# Altium PCB Hall Board.PcbDoc (part 1 of 4) (continued)
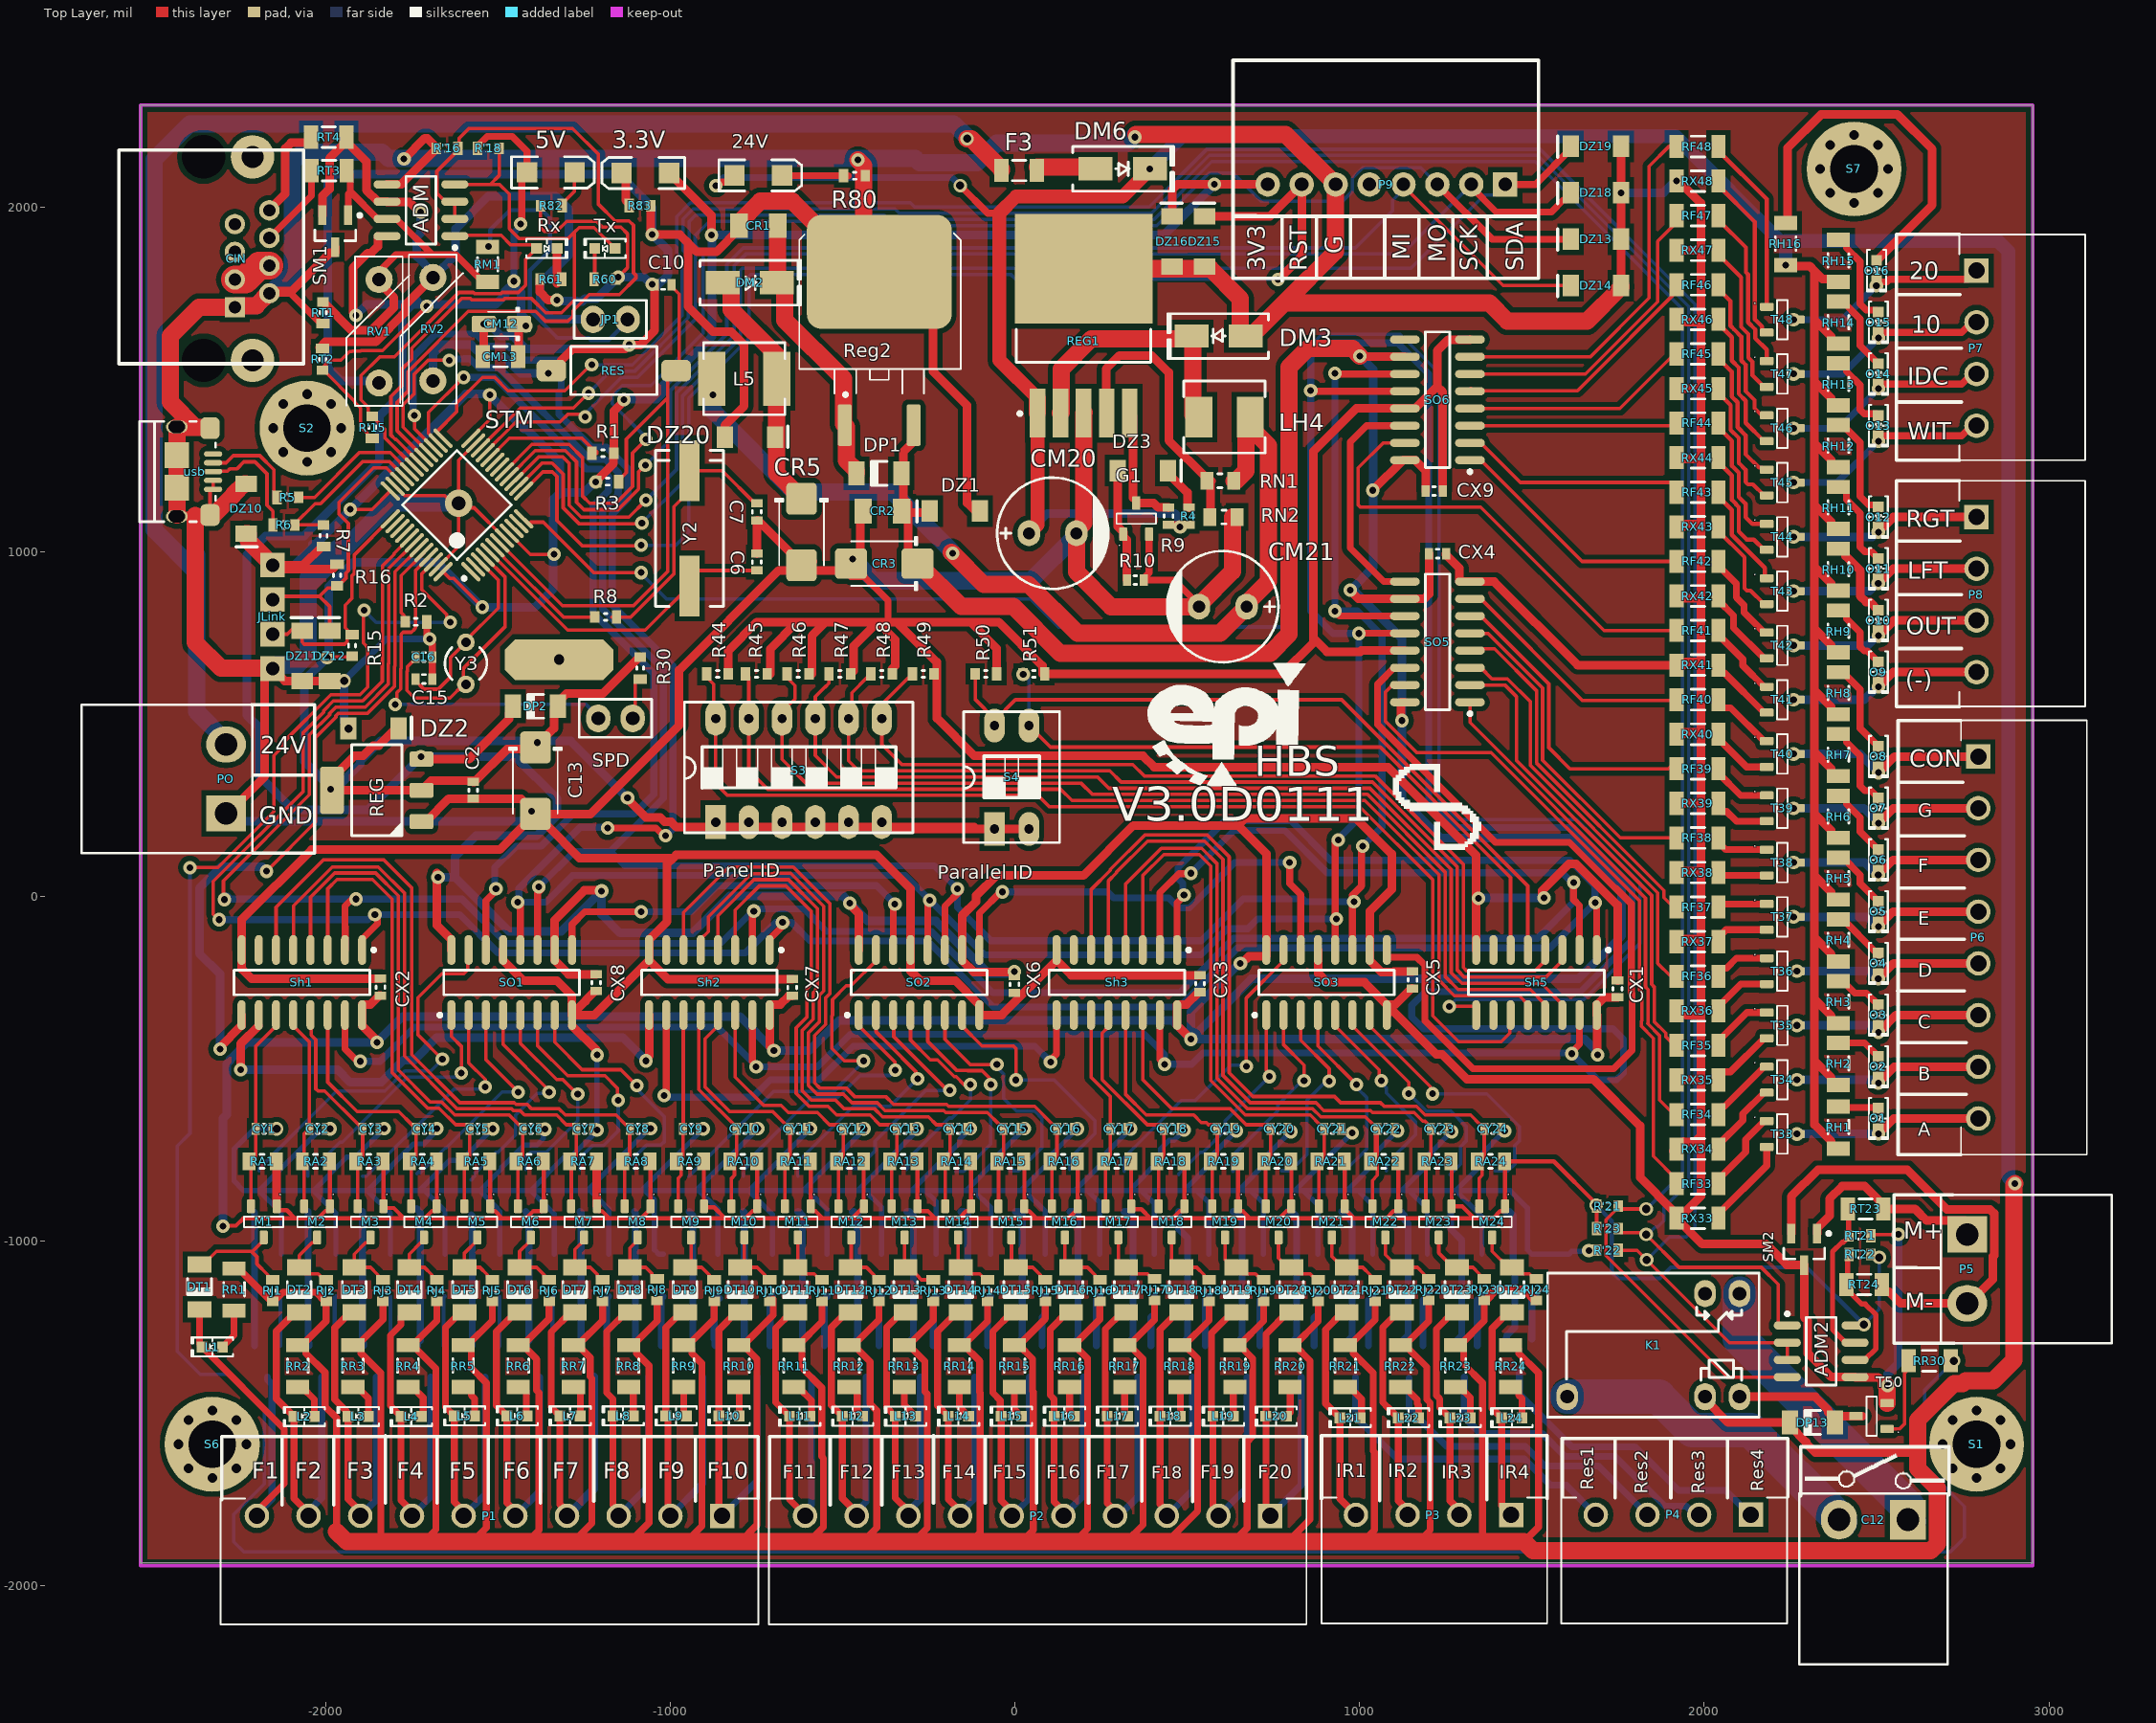
[diagram p0: Top Layer view]
## Components (designator, comment, footprint, x,y, rotation, side; value= is the part's Value field where it differs from the comment) (continued)
ADM "ADM485" SO8_NARROW_N -1724.47,1990 r180 top
ADM2 "ADM485" SO8_NARROW_N 2339.23,-1320.34 r0 top
C2 "100nF" SMD_CAP_0603 -1572.96,307.2 r90 top
C6 "20pF" SMD_CAP_0603 -750,969.36 r90 top
C7 "20pF" SMD_CAP_0603 -750,1115 r270 top
C10 "1uF" SMD_CAP_0603 -1021.51,1773.6 r180 top
C12 "Header 2" "phonix 2pin right 5.08" 2491,-1809 r270 top
C13 "100uF" CAPMP6032X280N -1392.43,335 r270 top
C15 "10pF" SMD_CAP_0603 -1716.04,630 r180 top
C16 "10pF" SMD_CAP_0603 -1716.04,694.06 r180 top
CIN "CN_MODJACK_8P" "CN_RJ45_TYCO_ DY122-8P8C-G" -2355,2145 r270 top
CM12 "10uF" CAPMP3216X180N -1490.99,1660 r180 top
CM13 "100nF" SMD_CAP_1206 -1442.79,1565 r180 top
CM20 "100uF" "cap 03" 108.9,1052.88 r180 top
CM21 "2000uF" "cap 03" 602.48,840 r0 top
CR1 "330nF" 1206 -745,1945 r180 top
CR2 "100nF" 1206 -385,1117.05 r180 top
CR3 "100uF" CAPMP6032X280N -380,965 r180 top
CR5 "100uF" CAPMP6032X280N -620,1056.6 r270 top
CX1 "100nF" SMD_CAP_0603 1748,-269 r270 top
CX2 "100nF" SMD_CAP_0603 -1842,-264 r270 top
CX3 "100nF" SMD_CAP_0603 536.6,-254 r270 top
CX4 "100nF" SMD_CAP_0603 1226,994 r180 top
CX5 "100nF" SMD_CAP_0603 1153.5,-243 r90 top
CX6 "100nF" SMD_CAP_0603 -2,-255.84 r90 top
CX7 "100nF" SMD_CAP_0603 -646.94,-265 r270 top
CX8 "100nF" SMD_CAP_0603 -1215.94,-251 r90 top
CX9 "100nF" SMD_CAP_0603 1216,1175.47 r180 top
CY1 "10uF" SMD_CAP_0603 -2179.21,-674.92 r180 top
CY2 "10uF" SMD_CAP_0603 -2024.21,-674.92 r180 top
CY3 "10uF" SMD_CAP_0603 -1869.21,-674.92 r180 top
CY4 "10uF" SMD_CAP_0603 -1714.21,-674.92 r180 top
CY5 "10uF" SMD_CAP_0603 -1559.21,-674.92 r180 top
CY6 "10uF" SMD_CAP_0603 -1404.21,-674.92 r180 top
CY7 "10uF" SMD_CAP_0603 -1249.21,-674.92 r180 top
CY8 "10uF" SMD_CAP_0603 -1094.21,-674.92 r180 top
CY9 "10uF" SMD_CAP_0603 -939.21,-674.92 r180 top
CY10 "10uF" SMD_CAP_0603 -784.21,-674.92 r180 top
CY11 "10uF" SMD_CAP_0603 -629.21,-674.92 r180 top
CY12 "10uF" SMD_CAP_0603 -474.21,-674.92 r180 top
CY13 "10uF" SMD_CAP_0603 -319.21,-674.92 r180 top
CY14 "10uF" SMD_CAP_0603 -164.21,-674.92 r180 top
CY15 "10uF" SMD_CAP_0603 -9.21,-674.92 r180 top
CY16 "10uF" SMD_CAP_0603 145.79,-674.92 r180 top
CY17 "10uF" SMD_CAP_0603 300.79,-674.92 r180 top
CY18 "10uF" SMD_CAP_0603 455.79,-674.92 r180 top
CY19 "10uF" SMD_CAP_0603 610.79,-674.92 r180 top
CY20 "10uF" SMD_CAP_0603 765.79,-674.92 r180 top
CY21 "10uF" SMD_CAP_0603 920.79,-674.92 r180 top
CY22 "10uF" SMD_CAP_0603 1075.79,-674.92 r180 top
CY23 "10uF" SMD_CAP_0603 1230.79,-674.92 r180 top
CY24 "10uF" SMD_CAP_0603 1385.79,-674.92 r180 top
DM2 "1N5822" "DO214AC SMA" -770,1780 r0 top
DM3 "1N5822" "DO214AC SMA" 590.31,1625 r180 top
DM6 "1N5822" "DO214AC SMA" 312.15,2110.44 r0 top
DP1 "1N4148" LL4148 -395.66,1226.65 r180 top
DP2 "1N4148" LL4148 -1392.67,551.1 r180 top
DP13 "1N4148" LL4148 2313.72,-1526.89 r180 top
DT1 "1N4148" LL4148 -2367.13,-1133.73 r270 top
DT2 "1N4148" LL4148 -2078,-1142 r270 top
DT3 "1N4148" LL4148 -1918,-1142 r270 top
DT4 "1N4148" LL4148 -1758,-1142 r270 top
DT5 "1N4148" LL4148 -1598,-1142 r270 top
DT6 "1N4148" LL4148 -1438,-1142 r270 top
DT7 "1N4148" LL4148 -1278,-1142 r270 top
DT8 "1N4148" LL4148 -1118,-1142 r270 top
DT9 "1N4148" LL4148 -958,-1142 r270 top
DT10 "1N4148" LL4148 -798,-1142 r270 top
DT11 "1N4148" LL4148 -638,-1142 r270 top
DT12 "1N4148" LL4148 -478,-1142 r270 top
DT13 "1N4148" LL4148 -318,-1142 r270 top
DT14 "1N4148" LL4148 -158,-1142 r270 top
DT15 "1N4148" LL4148 2,-1142 r270 top
DT16 "1N4148" LL4148 162,-1142 r270 top
DT17 "1N4148" LL4148 322,-1142 r270 top
DT18 "1N4148" LL4148 482,-1142 r270 top
DT19 "1N4148" LL4148 642,-1142 r270 top
DT20 "1N4148" LL4148 802,-1142 r270 top
DT21 "1N4148" LL4148 962,-1142 r270 top
DT22 "1N4148" LL4148 1122,-1142 r270 top
DT23 "1N4148" LL4148 1282,-1142 r270 top
DT24 "1N4148" LL4148 1442,-1142 r270 top
DZ1 "DZ5.6V 0.5W" Minimelf -175,1117.05 r180 top
DZ2 "DZ3.6V 0.5W" Minimelf -1862.11,487.02 r0 top
DZ3 "DZ14V" Minimelf 371,1235 r0 top
DZ10 "DZ3.6V 0.5W" Minimelf -2231.57,1124 r270 top
DZ11 "DZ3.6V 0.5W" Minimelf -2069.51,697.53 r90 top
DZ12 "DZ3.6V 0.5W" Minimelf -1990,697.53 r90 top
DZ13 "DZ3.6V 0.5W" Minimelf 1685,1905.63 r180 top
DZ14 "DZ3.6V 0.5W" Minimelf 1685,1770.95 r180 top
DZ15 "DZ3.6V 0.5W" Minimelf 549.51,1899.96 r90 top
DZ16 "DZ3.6V 0.5W" Minimelf 454.54,1899.96 r90 top
DZ18 "DZ3.6V 0.5W" Minimelf 1685,2040.32 r180 top
DZ19 "DZ3.6V 0.5W" Minimelf 1685,2175 r180 top
DZ20 "DZ9.1V 0.5W" Minimelf -769.61,1331.86 r0 top
F3 "Fuse 1A 1206" "Fuse SMD 1206" 15.53,2100.44 r0 top
G1 "BC848" SOT23-3 351.4,1095.28 r90 top
JLink "Header Male Right 1x4" "Header 1x4 male rightangle" -2155,760.17 r90 top
JP1 "Jumper" "Jumper Small - 2.54 - GRAY" -1175,1673.48 r180 top
K1 "RELAY_SPDT" REL_SPDT_5_1611 1852.13,-1302.54 r90 top
L1 "RED" "LED 0603/1608 RED" -2330,-1307.78 r180 top
L2 "RED" "LED 0603/1608 RED" -2063.2,-1509.57 r180 top
L3 "RED" "LED 0603/1608 RED" -1906.34,-1509.57 r180 top
L4 "RED" "LED 0603/1608 RED" -1752.65,-1509.57 r180 top
L5 "RED" "LED 0603/1608 RED" -1598,-1508 r180 top
L5 "Inductor" "HPC6045 SMD INDUCTOR" -786.27,1501.37 r0 top value=22uH3A
L6 "RED" "LED 0603/1608 RED" -1445.27,-1508 r180 top
L7 "RED" "LED 0603/1608 RED" -1291.58,-1508 r180 top
L8 "RED" "LED 0603/1608 RED" -1137.89,-1508 r180 top
L9 "RED" "LED 0603/1608 RED" -984.2,-1508 r180 top
L10 "RED" "LED 0603/1608 RED" -830.51,-1508 r180 top
L11 "RED" "LED 0603/1608 RED" -625.5,-1508.59 r180 top
L12 "RED" "LED 0603/1608 RED" -471.85,-1508.59 r180 top
L13 "RED" "LED 0603/1608 RED" -318.21,-1508.59 r180 top
L14 "RED" "LED 0603/1608 RED" -164.56,-1508.59 r180 top
L15 "RED" "LED 0603/1608 RED" -10.91,-1508.59 r180 top
L16 "RED" "LED 0603/1608 RED" 142.73,-1508.59 r180 top
L17 "RED" "LED 0603/1608 RED" 296.38,-1508.59 r180 top
L18 "RED" "LED 0603/1608 RED" 450.02,-1508.59 r180 top
L19 "RED" "LED 0603/1608 RED" 603.67,-1508.59 r180 top
L20 "RED" "LED 0603/1608 RED" 757.32,-1508.59 r180 top
L21 "RED" "LED 0603/1608 RED" 972,-1513.51 r180 top
L22 "RED" "LED 0603/1608 RED" 1141.39,-1513.51 r180 top
L23 "RED" "LED 0603/1608 RED" 1291.39,-1513.51 r180 top
L24 "RED" "LED 0603/1608 RED" 1441.39,-1513.51 r180 top
LH4 "Inductor" "CD45 SMD Inductor" 607.4,1390 r0 top value=100uH3A
M1 "2N7002" SOT23-3 -2180.79,-944.92 r270 top
M2 "2N7002" SOT23-3 -2025.79,-944.92 r270 top
M3 "2N7002" SOT23-3 -1870.79,-944.92 r270 top
M4 "2N7002" SOT23-3 -1715.79,-944.92 r270 top
M5 "2N7002" SOT23-3 -1560.79,-944.92 r270 top
M6 "2N7002" SOT23-3 -1405.79,-944.92 r270 top
M7 "2N7002" SOT23-3 -1250.79,-944.92 r270 top
M8 "2N7002" SOT23-3 -1095.79,-944.92 r270 top
M9 "2N7002" SOT23-3 -940.79,-944.92 r270 top
M10 "2N7002" SOT23-3 -785.79,-944.92 r270 top
M11 "2N7002" SOT23-3 -630.79,-944.92 r270 top
M12 "2N7002" SOT23-3 -475.79,-944.92 r270 top
M13 "2N7002" SOT23-3 -320.79,-944.92 r270 top
M14 "2N7002" SOT23-3 -165.79,-944.92 r270 top
M15 "2N7002" SOT23-3 -10.79,-944.92 r270 top
M16 "2N7002" SOT23-3 144.21,-944.92 r270 top
M17 "2N7002" SOT23-3 299.21,-944.92 r270 top
M18 "2N7002" SOT23-3 454.21,-944.92 r270 top
M19 "2N7002" SOT23-3 609.21,-944.92 r270 top
M20 "2N7002" SOT23-3 764.21,-944.92 r270 top
M21 "2N7002" SOT23-3 919.21,-944.92 r270 top
M22 "2N7002" SOT23-3 1074.21,-944.92 r270 top
M23 "2N7002" SOT23-3 1229.21,-944.92 r270 top
M24 "2N7002" SOT23-3 1384.21,-944.92 r270 top
O1 "RED" "LED 0603/1608 RED" 2505,-645 r270 top
O2 "RED" "LED 0603/1608 RED" 2505,-495 r270 top
O3 "RED" "LED 0603/1608 RED" 2505,-345 r270 top
O4 "RED" "LED 0603/1608 RED" 2505,-195 r270 top
O5 "RED" "LED 0603/1608 RED" 2505,-45 r270 top
O6 "RED" "LED 0603/1608 RED" 2505,105 r270 top
O7 "RED" "LED 0603/1608 RED" 2505,255 r270 top
O8 "RED" "LED 0603/1608 RED" 2505,405 r270 top
O9 "RED" "LED 0603/1608 RED" 2505,650 r270 top
O10 "RED" "LED 0603/1608 RED" 2505,800 r270 top
O11 "RED" "LED 0603/1608 RED" 2505,950 r270 top
O12 "RED" "LED 0603/1608 RED" 2505,1100 r270 top
O13 "RED" "LED 0603/1608 RED" 2505,1365 r270 top
O14 "RED" "LED 0603/1608 RED" 2505,1515 r270 top
O15 "RED" "LED 0603/1608 RED" 2505,1665 r270 top
O16 "RED" "LED 0603/1608 RED" 2500,1815 r270 top
P1 "XH10MR" "phonix 10pin right 3.81" -850.59,-1797.76 r270 top
P2 "XH10MR" "phonix 10pin right 3.81" 740.31,-1797.76 r270 top
P3 "XH4MR" "phonix 4pin right 3.81" 1439.04,-1795 r270 top
P4 "XH4MR" "phonix 4pin right 3.81" 2135,-1794.71 r270 top
P5 "Header 2" "phonix 2pin right 5.08" 2763,-1081.5 r0 top
P6 "XH8MR" "phonix 8pin right 3.81" 2795,405 r0 top
P7 "XH4MR" "phonix 4pin right 3.81" 2790,1815 r0 top
P8 "XH4MR" "phonix 4pin right 3.81" 2790,1100 r0 top
P9 "XH8MR" CN_JST-B8B-S_XH 1422.13,2065 r0 top
PO "Header 2" "phonix 2pin right 5.08" -2290,340 r180 top
R1 "10K" "RES 0603" -1165,1285 r180 top
R2 "10K" "RES 0603" -1770.45,795.75 r0 top
R3 "10K" "RES 0603" -1213.79,1202.49 r0 top
R4 "10K" "RES 0603 (1608X06L)" 504.1,1127 r270 top
R5 "20R" "RES 0603" -2079.22,1156.73 r180 top
R6 "20R" "RES 0603" -2091,1077 r180 top
R7 "1.5K" "RES 0603" -2007,1077 r270 top
R8 "390" "RES 0603" -1219.95,810 r0 top
R9 "88K" "RES 0603 (1608X06L)" 445,1127 r270 top
R10 "10K" "RES 0603 (1608X06L)" 372.99,917 r180 top
R15 "10K" "RES 0603" -1924.44,696.01 r90 top
R16 "10K" "RES 0603" -1967.88,900 r90 top
R30 "10K" "RES 0603" -1088.19,692.99 r270 top
R44 "10K" "RES 0603" -832.3,645 r180 top
R45 "10K" "RES 0603" -719.46,645 r180 top
R46 "10K" "RES 0603" -598.45,645 r180 top
R47 "10K" "RES 0603" -477.44,645 r180 top
R48 "10K" "RES 0603" -356.43,645 r180 top
R49 "10K" "RES 0603" -235.43,645 r180 top
R50 "10K" "RES 0603" -116.13,645 r0 top
R51 "10K" "RES 0603" 22.84,645 r0 top
R60 "510" "RES 0603" -1159.27,1790 r180 top
R61 "510" "RES 0603" -1379.07,1790 r0 top
R80 "5K" "RES 0603" -434.78,2090 r180 top
R82 "1K" "RES 0603" -1377.45,2003.44 r0 top
R83 "500" "RES 0603" -1057.45,2003.44 r180 top
R'15 "10k" "RES 0603" -1865.5,1391.5 r270 top
R'16 "10K" "RES 0603" -1680,2170 r0 top
R'18 "10k" "RES 0603" -1497.67,2170 r180 top
R'21 "10k" "RES 0603" 1750.62,-899.48 r180 top
R'22 "10K" "RES 0603" 1687.63,-1027.27 r0 top
R'23 "10k" "RES 0603" 1750.62,-964.45 r180 top
RA1 "10K" "RES 0805" -2144.78,-769.43 r180 top
RA2 "10K" "RES 0805" -1989.78,-769.43 r180 top
RA3 "10K" "RES 0805" -1834.78,-769.43 r180 top
RA4 "10K" "RES 0805" -1679.78,-769.43 r180 top
RA5 "10K" "RES 0805" -1524.78,-769.43 r180 top
RA6 "10K" "RES 0805" -1369.78,-769.43 r180 top
RA7 "10K" "RES 0805" -1214.78,-769.43 r180 top
RA8 "10K" "RES 0805" -1059.78,-769.43 r180 top
RA9 "10K" "RES 0805" -904.78,-769.43 r180 top
RA10 "10K" "RES 0805" -749.78,-769.43 r180 top
RA11 "10K" "RES 0805" -594.78,-769.43 r180 top
RA12 "10K" "RES 0805" -439.78,-769.43 r180 top
RA13 "10K" "RES 0805" -284.78,-769.43 r180 top
RA14 "10K" "RES 0805" -129.78,-769.43 r180 top
RA15 "10K" "RES 0805" 25.22,-769.43 r180 top
RA16 "10K" "RES 0805" 180.22,-769.43 r180 top
RA17 "10K" "RES 0805" 335.22,-769.43 r180 top
RA18 "10K" "RES 0805" 490.22,-769.43 r180 top
RA19 "10K" "RES 0805" 645.22,-769.43 r180 top
RA20 "10K" "RES 0805" 800.22,-769.43 r180 top
RA21 "10K" "RES 0805" 955.22,-769.43 r180 top
RA22 "10K" "RES 0805" 1110.22,-769.43 r180 top
RA23 "10K" "RES 0805" 1265.22,-769.43 r180 top
RA24 "10K" "RES 0805" 1420.22,-769.43 r180 top
REG "AMS1117-3.3" SOT223 -1852.96,307.2 r180 top
REG1 "LM2576-Adj" TO-263-5 198.55,1655 r90 top
Reg2 "L7805" D2PAK-3 -394.47,1588.87 r270 top value=variable
RES "Button" "TE FSMSMTR" -1165,1525 r90 top
RF1 "1K" "RES 1206" -2210,-915 r90 bottom
RF2 "1K" "RES 1206" -2052.1,-915 r90 bottom
RF3 "1K" "RES 1206" -1894.19,-915 r90 bottom
RF4 "1K" "RES 1206" -1736.29,-907.05 r90 bottom
RF5 "1K" "RES 1206" -1578.39,-924.92 r90 bottom
RF6 "1K" "RES 1206" -1420.48,-915 r90 bottom
RF7 "1K" "RES 1206" -1262.58,-915 r90 bottom
RF8 "1K" "RES 1206" -1104.68,-915 r90 bottom
RF9 "1K" "RES 1206" -946.77,-915 r90 bottom
RF10 "1K" "RES 1206" -788.87,-915 r90 bottom
RF11 "1K" "RES 1206" -630.97,-915 r90 bottom
RF12 "1K" "RES 1206" -473.06,-915 r90 bottom
RF13 "1K" "RES 1206" -315.16,-915 r90 bottom
RF14 "1K" "RES 1206" -157.26,-915 r90 bottom
RF15 "1K" "RES 1206" 0.64,-915 r90 bottom
RF16 "1K" "RES 1206" 158.55,-915 r90 bottom
RF17 "1K" "RES 1206" 316.45,-915 r90 bottom
RF18 "1K" "RES 1206" 474.35,-915 r90 bottom
RF19 "1K" "RES 1206" 632.26,-915 r90 bottom
RF20 "1K" "RES 1206" 790.16,-915 r90 bottom
RF21 "1K" "RES 1206" 948.06,-915 r90 bottom
RF22 "1K" "RES 1206" 1105.97,-915 r90 bottom
RF23 "1K" "RES 1206" 1263.87,-915 r90 bottom
RF24 "1K" "RES 1206" 1421.77,-915 r90 bottom
RF33 "1K" "RES 1206" 2041.1,-834.14 r180 top
RF34 "1K" "RES 1206" 2041.1,-633.53 r180 top
RF35 "1K" "RES 1206" 2041.1,-432.92 r180 top
RF36 "1K" "RES 1206" 2041.1,-232.32 r180 top
RF37 "1K" "RES 1206" 2041.1,-31.71 r180 top
RF38 "1K" "RES 1206" 2041.1,168.9 r180 top
RF39 "1K" "RES 1206" 2041.1,369.51 r180 top
RF40 "1K" "RES 1206" 2041.1,570.12 r180 top
RF41 "1K" "RES 1206" 2041.1,770.73 r180 top
RF42 "1K" "RES 1206" 2041.1,971.34 r180 top
RF43 "1K" "RES 1206" 2041.1,1171.95 r180 top
RF44 "1K" "RES 1206" 2041.1,1372.56 r180 top
RF45 "1K" "RES 1206" 2041.1,1573.17 r180 top
RF46 "1K" "RES 1206" 2041.1,1773.78 r180 top
RF47 "1K" "RES 1206" 2041.1,1974.39 r180 top
RF48 "1K" "RES 1206" 2041.1,2175 r180 top
RH1 "5K" "RES 1206" 2389,-610.07 r270 top
RH2 "5K" "RES 1206" 2389,-425.45 r270 top
RH3 "5K" "RES 1206" 2389,-246.26 r270 top
RH4 "5K" "RES 1206" 2389,-67.06 r270 top
RH5 "5K" "RES 1206" 2389,112.14 r270 top
RH6 "5K" "RES 1206" 2389,291.33 r270 top
RH7 "5K" "RES 1206" 2389,470.53 r270 top
RH8 "5K" "RES 1206" 2389,649.73 r270 top
RH9 "5K" "RES 1206" 2389,828.92 r270 top
RH10 "5K" "RES 1206" 2389,1008.12 r270 top
RH11 "5K" "RES 1206" 2389,1187.32 r270 top
RH12 "5K" "RES 1206" 2389,1366.51 r270 top
RH13 "5K" "RES 1206" 2389,1545.71 r270 top
RH14 "5K" "RES 1206" 2389,1724.91 r270 top
RH15 "5K" "RES 1206" 2389,1904.1 r270 top
RH16 "5K" "RES 1206" 2236,1953.05 r270 top
RJ1 "100K" "RES 0603" -2154.71,-1175.94 r90 top
RJ2 "100K" "RES 0603" -1999.71,-1175.94 r90 top
RJ3 "100K" "RES 0603" -1834.78,-1175.94 r90 top
RJ4 "100K" "RES 0603" -1678.39,-1175.94 r90 top
RJ5 "100K" "RES 0603" -1517.58,-1175.94 r90 top
RJ6 "100K" "RES 0603" -1352.67,-1175.94 r90 top
RJ7 "100K" "RES 0603" -1197.37,-1175.94 r90 top
RJ8 "100K" "RES 0603" -1039,-1173.5 r90 top
RJ9 "100K" "RES 0603" -873.58,-1175.94 r90 top
RJ10 "100K" "RES 0603" -712.5,-1175.94 r90 top
RJ11 "100K" "RES 0603" -560.19,-1175.94 r90 top
RJ12 "100K" "RES 0603" -395.66,-1175.94 r90 top
RJ13 "100K" "RES 0603" -237.76,-1175.94 r90 top
RJ14 "100K" "RES 0603" -79.86,-1175.94 r90 top
RJ15 "100K" "RES 0603" 87.42,-1175.94 r90 top
RJ16 "100K" "RES 0603" 245.79,-1175.94 r90 top
RJ17 "100K" "RES 0603" 404.16,-1172.99 r90 top
RJ18 "100K" "RES 0603" 562.53,-1175.94 r90 top
RJ19 "100K" "RES 0603" 720.9,-1175.94 r90 top
RJ20 "100K" "RES 0603" 879.27,-1175.94 r90 top
RJ21 "100K" "RES 0603" 1044.49,-1175.94 r90 top
RJ22 "100K" "RES 0603" 1200.26,-1172.99 r90 top
RJ23 "100K" "RES 0603" 1361.3,-1172.99 r90 top
RJ24 "100K" "RES 0603" 1512.76,-1172.99 r90 top
RM1 "150" "RES 1206 (3216X08L)" -1530.81,1781.77 r90 top
RN1 "4.7K" "RES 0805" 634.96,1205 r180 top
RN2 "1K" "RES 0805" 565.34,1100.16 r0 top
RR1 "5K" "RES 1206" -2266.85,-1080.49 r270 top
RR2 "5K" "RES 1206" -2081.99,-1302.54 r270 top
RR3 "5K" "RES 1206" -1921.99,-1302.54 r270 top
RR4 "5K" "RES 1206" -1761.99,-1302.54 r270 top
RR5 "5K" "RES 1206" -1601.99,-1302.54 r270 top
RR6 "5K" "RES 1206" -1441.99,-1302.54 r270 top
RR7 "5K" "RES 1206" -1281.99,-1302.54 r270 top
RR8 "5K" "RES 1206" -1121.99,-1302.54 r270 top
RR9 "5K" "RES 1206" -961.99,-1302.54 r270 top
RR10 "5K" "RES 1206" -801.99,-1302.54 r270 top
RR11 "5K" "RES 1206" -641.99,-1302.54 r270 top
RR12 "5K" "RES 1206" -481.99,-1302.54 r270 top
RR13 "5K" "RES 1206" -321.99,-1302.54 r270 top
RR14 "5K" "RES 1206" -161.99,-1302.54 r270 top
RR15 "5K" "RES 1206" -1.99,-1302.54 r270 top
RR16 "5K" "RES 1206" 158.01,-1302.54 r270 top
RR17 "5K" "RES 1206" 318.01,-1302.54 r270 top
RR18 "5K" "RES 1206" 478.01,-1302.54 r270 top
RR19 "5K" "RES 1206" 638.01,-1302.54 r270 top
RR20 "5K" "RES 1206" 798.01,-1302.54 r270 top
RR21 "5K" "RES 1206" 958.01,-1302.54 r270 top
RR22 "5K" "RES 1206" 1118.01,-1302.54 r270 top
RR23 "5K" "RES 1206" 1278.01,-1302.54 r270 top
RR24 "5K" "RES 1206" 1438.01,-1302.54 r270 top
RR30 "1K" "RES 1206" 2593,-1348 r0 top
RT1 "10K" "RES 0603" -2008.68,1723.91 r270 top
RT2 "10K" "RES 0603" -2010,1525.87 r90 top
RT3 "20" "RES 1206 (3216X08L)" -2042.2,2105 r0 top
RT4 "20" "RES 1206 (3216X08L)" -2043.2,2202.32 r0 top
RT21 "10K" "RES 0603" 2420.02,-985.12 r0 top
RT22 "10K" "RES 0603" 2483.02,-1039.06 r180 top
RT23 "20" "RES 1206 (3216X08L)" 2518.96,-907.52 r180 top
RT24 "20" "RES 1206 (3216X08L)" 2514.77,-1126.44 r180 top
RV1 "Res Varistor 10D201K" "Varistor Short Hieght - Vertical" -1846,1639 r270 top
RV2 "Res Varistor 10D201K" "Varistor Short Hieght - Vertical" -1689.71,1645.02 r270 top
Rx "RED" "LED 0603/1608 RED" -1359.07,1879.17 r0 top
RX1 "20" "RES 1206" -2129.77,-1161.1 r90 bottom
RX2 "20" "RES 1206" -1971.4,-1161.1 r90 bottom
RX3 "20" "RES 1206" -1813.03,-1161.1 r90 bottom
RX4 "20" "RES 1206" -1654.65,-1161.1 r90 bottom
RX5 "20" "RES 1206" -1496.28,-1161.1 r90 bottom
RX6 "20" "RES 1206" -1337.91,-1161.1 r90 bottom
RX7 "20" "RES 1206" -1179.54,-1161.1 r90 bottom
RX8 "20" "RES 1206" -1021.17,-1161.1 r90 bottom
RX9 "20" "RES 1206" -862.8,-1161.1 r90 bottom
RX10 "20" "RES 1206" -704.43,-1161.1 r90 bottom
RX11 "20" "RES 1206" -546.06,-1161.1 r90 bottom
RX12 "20" "RES 1206" -387.69,-1161.1 r90 bottom
RX13 "20" "RES 1206" -229.32,-1161.1 r90 bottom
RX14 "20" "RES 1206" -70.95,-1161.1 r90 bottom
RX15 "20" "RES 1206" 87.42,-1161.1 r90 bottom
RX16 "20" "RES 1206" 245.79,-1161.1 r90 bottom
RX17 "20" "RES 1206" 404.16,-1161.1 r90 bottom
RX18 "20" "RES 1206" 562.53,-1161.1 r90 bottom
RX19 "20" "RES 1206" 720.9,-1161.1 r90 bottom
RX20 "20" "RES 1206" 879.27,-1161.1 r90 bottom
RX21 "20" "RES 1206" 1037.65,-1161.1 r90 bottom
RX22 "20" "RES 1206" 1196.02,-1161.1 r90 bottom